# KiCad board untitled.kicad_pcb (continued)
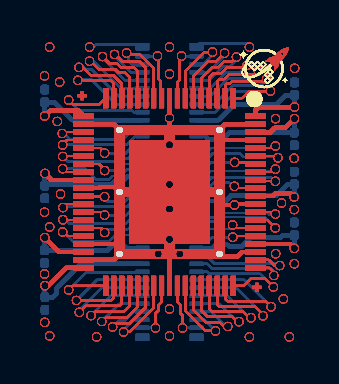
[diagram p0: board, top side]
## Routing (per net, layer and track width the routed paths; a pad name or vN(x,y) marks a point on that pad's centre or on a via; arc(x,y) is an arc through that point) (continued)
  Top w0.5: v1(6.78,2.48) 8.76,2.48 ; v1(6.78,2.48) 6.26,2.48 ; v1(6.78,2.48) 8.76,2.48 ; v1(6.78,2.48) 8.76,2.48 ; v1(6.78,2.48) 6.26,2.48 ; v1(6.78,2.48) 6.26,2.48 ; v1(6.78,2.48) 6.26,2.48 ; v1(6.78,2.48) 8.76,2.48 ; v1(6.78,2.48) 6.26,2.48 ; v1(6.78,2.48) 8.76,2.48 ; v1(6.78,2.48) 8.76,2.48 ; v1(6.78,2.48) 6.26,2.48 ; v1(6.78,2.48) 6.26,2.48 ; v1(6.78,2.48) 8.76,2.48 ; v1(6.78,2.48) 8.76,2.48 ; v1(6.78,2.48) 8.76,2.48 ; v1(6.78,2.48) 8.76,2.48 ; v1(6.78,2.48) 8.76,2.48 ; v1(6.78,2.48) 6.26,2.48 ; v1(6.78,2.48) 6.26,2.48 ; v1(6.78,2.48) 8.76,2.48 ; v1(6.78,2.48) 6.26,2.48 ; v1(6.78,2.48) 6.26,2.48 ; v1(6.78,2.48) 8.76,2.48 ; v1(6.78,2.48) 8.76,2.48 ; v1(6.78,2.48) 6.26,2.48 ; v1(6.78,2.48) 8.76,2.48 ; v1(6.78,2.48) 8.76,2.48 ; v1(6.78,2.48) 8.76,2.48 ; v1(6.78,2.48) 8.76,2.48 ; v1(6.78,2.48) 8.76,2.48 ; v1(6.78,2.48) 8.76,2.48 ; v1(6.78,2.48) 8.76,2.48 ; v1(6.78,2.48) 8.76,2.48 ; v1(6.78,2.48) 8.76,2.48 ; v1(6.78,2.48) 8.76,2.48 ; v1(6.78,2.48) 6.26,2.48 ; v1(6.78,2.48) 6.26,2.48 ; v1(6.78,2.48) 6.26,2.48 ; v1(6.78,2.48) 8.76,2.48 ; v1(6.78,2.48) 6.26,2.48 ; v1(6.78,2.48) 6.26,2.48 ; v1(6.78,2.48) 8.76,2.48 ; v1(6.78,2.48) 8.76,2.48 ; v1(6.78,2.48) 6.26,2.48 ; v1(6.78,2.48) 8.76,2.48 ; v1(6.78,2.48) 6.26,2.48 ; v1(6.78,2.48) 8.76,2.48 ; v1(6.78,2.48) 8.76,2.48 ; v1(6.78,2.48) 6.26,2.48 ; v1(6.78,2.48) 6.26,2.48 ; v1(6.78,2.48) 8.76,2.48 ; v1(6.78,2.48) 8.76,2.48 ; v1(6.78,2.48) 6.26,2.48 ; v1(6.78,2.48) 6.26,2.48 ; v1(6.78,2.48) 6.26,2.48 ; v1(6.78,2.48) 6.26,2.48 ; v1(6.78,2.48) 6.26,2.48 ; v1(6.78,2.48) 6.26,2.48 ; v1(6.78,2.48) 6.26,2.48 ; v1(6.78,2.48) 8.76,2.48 ; v1(6.78,2.48) 8.76,2.48 ; v1(6.78,2.48) 8.76,2.48 ; v1(6.78,2.48) 6.26,2.48 ; v1(6.78,2.48) 6.26,2.48 ; v1(6.78,2.48) 8.76,2.48 ; v1(6.78,2.48) 8.76,2.48 ; v1(6.78,2.48) 6.26,2.48 ; v1(6.78,2.48) 6.26,2.48 ; v1(6.78,2.48) 6.26,2.48 ; v1(6.78,2.48) 8.76,2.48 ; v1(6.78,2.48) 6.26,2.48 ; v1(6.78,2.48) 8.76,2.48 ; v1(6.78,2.48) 6.26,2.48 ; v1(6.78,2.48) 6.26,2.48 ; v1(6.78,2.48) 6.26,2.48 ; v1(6.78,2.48) 8.76,2.48 ; v1(6.78,2.48) 6.26,2.48 ; v1(6.78,2.48) 8.76,2.48 ; v1(6.78,2.48) 8.76,2.48 ; v1(6.78,2.48) 6.26,2.48 ; v1(6.78,2.48) 6.26,2.48 ; v1(6.78,2.48) 6.26,2.48 ; v1(6.78,2.48) 6.26,2.48 ; 8.76,2.48 8.76,5.03 ; 8.76,2.48 8.76,5.03 ; 8.76,2.48 8.76,5.03 ; 8.76,2.48 8.76,5.03 ; 8.76,2.48 8.76,5.03 ; 8.76,2.48 8.76,5.03 ; 8.76,2.48 8.76,5.03 ; 8.76,2.48 8.76,5.03 ; 8.76,2.48 8.76,5.03 ; 8.76,2.48 8.76,5.03 ; 8.76,2.48 8.76,5.03 ; 8.76,2.48 8.76,5.03 ; 8.76,2.48 8.76,5.03 ; 8.76,2.48 8.76,5.03 ; 8.76,2.48 8.76,5.03 ; 8.76,2.48 8.76,5.03 ; 8.76,2.48 8.76,5.03 ; 8.76,2.48 8.76,5.03 ; 8.76,2.48 8.76,5.03 ; 8.76,2.48 8.76,5.03 ; 8.76,2.48 8.76,5.03 ; 8.76,2.48 8.76,5.03 ; 8.76,2.48 8.76,5.03 ; 8.76,2.48 8.76,5.03 ; 8.76,2.48 8.76,5.03 ; 8.76,2.48 8.76,5.03 ; 8.76,2.48 8.76,5.03 ; 8.76,2.48 8.76,5.03 ; 8.76,2.48 8.76,5.03 ; 8.76,2.48 8.76,5.03 ; 8.76,2.48 8.76,5.03 ; 8.76,2.48 8.76,5.03 ; 8.76,2.48 8.76,5.03 ; 8.76,2.48 8.76,5.03 ; 8.76,2.48 8.76,5.03 ; 8.76,2.48 8.76,5.03 ; 8.76,2.48 8.76,5.03 ; 8.76,2.48 8.76,5.03 ; 8.76,2.48 8.76,5.03 ; 8.76,2.48 8.76,5.03 ; 8.76,2.48 8.76,5.03 ; 8.76,2.48 8.76,5.03 ; 6.26,2.48 v1(6.26,3.21) ; 6.26,2.48 v1(6.26,3.21) ; 6.26,2.48 v1(6.26,3.21) ; 6.26,2.48 v1(5.69,2.48) ; 6.26,2.48 v1(5.69,2.48) ; 6.26,2.48 v1(6.26,3.21) ; 6.26,2.48 v1(5.69,2.48) ; 6.26,2.48 v1(6.26,3.21) ; 6.26,2.48 v1(6.26,3.21) ; 6.26,2.48 v1(6.26,3.21) ; 6.26,2.48 v1(5.69,2.48) ; 6.26,2.48 v1(6.26,3.21) ; 6.26,2.48 v1(5.69,2.48) ; 6.26,2.48 v1(5.69,2.48) ; 6.26,2.48 v1(6.26,3.21) ; 6.26,2.48 v1(5.69,2.48) ; 6.26,2.48 v1(6.26,3.21) ; 6.26,2.48 v1(6.26,3.21) ; 6.26,2.48 v1(5.69,2.48) ; 6.26,2.48 v1(6.26,3.21) ; 6.26,2.48 v1(6.26,3.21) ; 6.26,2.48 v1(6.26,3.21) ; 6.26,2.48 v1(6.26,3.21) ; 6.26,2.48 v1(6.26,3.21) ; 6.26,2.48 v1(5.69,2.48) ; 6.26,2.48 v1(6.26,3.21) ; 6.26,2.48 v1(5.69,2.48) ; 6.26,2.48 v1(5.69,2.48) ; 6.26,2.48 v1(5.69,2.48) ; 6.26,2.48 v1(6.26,3.21) ; 6.26,2.48 v1(5.69,2.48) ; 6.26,2.48 v1(5.69,2.48) ; 6.26,2.48 v1(6.26,3.21) ; 6.26,2.48 v1(5.69,2.48) ; 6.26,2.48 v1(5.69,2.48) ; 6.26,2.48 v1(6.26,3.21) ; 6.26,2.48 v1(6.26,3.21) ; 6.26,2.48 v1(5.69,2.48) ; 6.26,2.48 v1(5.69,2.48) ; 6.26,2.48 v1(6.26,3.21) ; 6.26,2.48 v1(5.69,2.48) ; 6.26,2.48 v1(6.26,3.21) ; 6.26,2.48 v1(5.69,2.48) ; 6.26,2.48 v1(5.69,2.48) ; 6.26,2.48 v1(6.26,3.21) ; 6.26,2.48 v1(5.69,2.48) ; 6.26,2.48 v1(5.69,2.48) ; 6.26,2.48 v1(5.69,2.48) ; 6.26,2.48 v1(6.26,3.21) ; 6.26,2.48 v1(6.26,3.21) ; 6.26,2.48 v1(6.26,3.21) ; 6.26,2.48 v1(5.69,2.48) ; 6.26,2.48 v1(5.69,2.48) ; 6.26,2.48 v1(6.26,3.21) ; 6.26,2.48 v1(6.26,3.21) ; 6.26,2.48 v1(5.69,2.48) ; 6.26,2.48 v1(5.69,2.48) ; 6.26,2.48 v1(6.26,3.21) ; 6.26,2.48 v1(5.69,2.48) ; 6.26,2.48 v1(5.69,2.48) ; 6.26,2.48 v1(6.26,3.21) ; 6.26,2.48 v1(6.26,3.21) ; 6.26,2.48 v1(5.69,2.48) ; 6.26,2.48 v1(6.26,3.21) ; 6.26,2.48 v1(6.26,3.21) ; 6.26,2.48 v1(6.26,3.21) ; 6.26,2.48 v1(6.26,3.21) ; 6.26,2.48 v1(5.69,2.48) ; 6.26,2.48 v1(5.69,2.48) ; 6.26,2.48 v1(5.69,2.48) ; 6.26,2.48 v1(5.69,2.48) ; 6.26,2.48 v1(5.69,2.48) ; 6.26,2.48 v1(5.69,2.48) ; 6.26,2.48 v1(6.26,3.21) ; 6.26,2.48 v1(6.26,3.21) ; 6.26,2.48 v1(6.26,3.21) ; 6.26,2.48 v1(5.69,2.48) ; 6.26,2.48 v1(5.69,2.48) ; 6.26,2.48 v1(6.26,3.21) ; 6.26,2.48 v1(5.69,2.48) ; 6.26,2.48 v1(6.26,3.21) ; 6.26,2.48 v1(5.69,2.48) ; 6.26,2.48 v1(5.69,2.48) ; 6.26,2.48 v1(6.26,3.21) ; 3.76,5.58 3.76,2.98 ; 3.76,5.58 3.76,8.68 ; 3.76,5.58 3.76,8.68 ; 3.76,5.58 8.76,5.58 ; 3.76,5.58 8.76,5.58 ; 3.76,5.58 8.76,5.58 ; 3.76,5.58 3.76,8.68 ; 3.76,5.58 3.76,2.98 ; 3.76,5.58 3.76,8.68 ; 3.76,5.58 8.76,5.58 ; 3.76,5.58 8.76,5.58 ; 3.76,5.58 3.76,8.68 ; 3.76,5.58 3.76,8.68 ; 3.76,5.58 3.76,8.68 ; 3.76,5.58 8.76,5.58 ; 3.76,5.58 3.76,8.68 ; 3.76,5.58 3.76,2.98 ; 3.76,5.58 3.76,8.68 ; 3.76,5.58 3.76,8.68 ; 3.76,5.58 3.76,2.98 ; 3.76,5.58 3.76,2.98 ; 3.76,5.58 8.76,5.58 ; 3.76,5.58 8.76,5.58 ; 3.76,5.58 3.76,8.68 ; 3.76,5.58 3.76,2.98 ; 3.76,5.58 3.76,2.98 ; 3.76,5.58 8.76,5.58 ; 3.76,5.58 3.76,8.68 ; 3.76,5.58 8.76,5.58 ; 3.76,5.58 3.76,8.68 ; 3.76,5.58 3.76,2.98 ; 3.76,5.58 8.76,5.58 ; 3.76,5.58 8.76,5.58 ; 3.76,5.58 8.76,5.58 ; 3.76,5.58 3.76,8.68 ; 3.76,5.58 3.76,8.68 ; 3.76,5.58 8.76,5.58 ; 3.76,5.58 3.76,2.98 ; 3.76,5.58 3.76,8.68 ; 3.76,5.58 3.76,8.68 ; 3.76,5.58 3.76,8.68 ; 3.76,5.58 3.76,2.98 ; 3.76,5.58 8.76,5.58 ; 3.76,5.58 3.76,2.98 ; 3.76,5.58 8.76,5.58 ; 3.76,5.58 3.76,8.68 ; 3.76,5.58 3.76,2.98 ; 3.76,5.58 8.76,5.58 ; 3.76,5.58 3.76,2.98 ; 3.76,5.58 3.76,2.98 ; 3.76,5.58 3.76,2.98 ; 3.76,5.58 3.76,2.98 ; 3.76,5.58 3.76,8.68 ; 3.76,5.58 8.76,5.58 ; 3.76,5.58 3.76,2.98 ; 3.76,5.58 3.76,2.98 ; 3.76,5.58 3.76,8.68 ; 3.76,5.58 8.76,5.58 ; 3.76,5.58 8.76,5.58 ; 3.76,5.58 3.76,8.68 ; 3.76,5.58 8.76,5.58 ; 3.76,5.58 3.76,8.68 ; 3.76,5.58 3.76,2.98 ; 3.76,5.58 8.76,5.58 ; 3.76,5.58 8.76,5.58 ; 3.76,5.58 3.76,2.98 ; 3.76,5.58 8.76,5.58 ; 3.76,5.58 3.76,2.98 ; 3.76,5.58 8.76,5.58 ; 3.76,5.58 3.76,8.68 ; 3.76,5.58 3.76,2.98 ; 3.76,5.58 3.76,8.68 ; 3.76,5.58 3.76,2.98 ; 3.76,5.58 3.76,8.68 ; 3.76,5.58 3.76,2.98 ; 3.76,5.58 3.76,2.98 ; 3.76,5.58 3.76,8.68 ; 3.76,5.58 8.76,5.58 ; 3.76,5.58 8.76,5.58 ; 3.76,5.58 3.76,8.68 ; 3.76,5.58 8.76,5.58 ; 3.76,5.58 3.76,2.98 ; 3.76,5.58 3.76,2.98 ; 3.76,5.58 3.76,2.98 ; 3.76,5.58 3.76,8.68 ; 3.76,5.58 8.76,5.58 ; 3.76,5.58 3.76,2.98 ; 3.76,5.58 8.76,5.58 ; 3.76,5.58 8.76,5.58 ; 3.76,5.58 8.76,5.58 ; 3.76,5.58 8.76,5.58 ; 3.76,5.58 3.76,2.98 ; 3.76,5.58 3.76,2.98 ; 3.76,5.58 3.76,8.68 ; 3.76,5.58 3.76,8.68 ; 3.76,5.58 3.76,8.68 ; 3.76,5.58 3.76,8.68 ; 3.76,5.58 3.76,8.68 ; 3.76,5.58 3.76,2.98 ; 3.76,5.58 3.76,2.98 ; 3.76,5.58 3.76,2.98 ; 3.76,5.58 3.76,2.98 ; 3.76,5.58 3.76,8.68 ; 3.76,5.58 8.76,5.58 ; 3.76,5.58 3.76,8.68 ; 3.76,5.58 8.76,5.58 ; 3.76,5.58 3.76,2.98 ; 3.76,5.58 3.76,2.98 ; 3.76,5.58 3.76,2.98 ; 3.76,5.58 3.76,2.98 ; 3.76,5.58 8.76,5.58 ; 3.76,5.58 3.76,2.98 ; 3.76,5.58 8.76,5.58 ; 3.76,5.58 3.76,2.98 ; 3.76,5.58 3.76,8.68 ; 3.76,5.58 8.76,5.58 ; 3.76,5.58 8.76,5.58 ; 3.76,5.58 8.76,5.58 ; 3.76,5.58 8.76,5.58 ; 3.76,5.58 3.76,8.68 ; 3.76,5.58 8.76,5.58 ; 3.76,5.58 3.76,8.68 ; 3.76,5.58 3.76,8.68 ; 3.76,5.58 3.76,8.68 ; 3.76,5.58 3.76,8.68 ; 3.76,5.58 3.76,2.98 ; 3.76,2.98 3.76,2.48 ; 3.76,2.98 3.76,2.48 ; 3.76,2.98 3.76,2.48 ; 3.76,2.98 3.76,2.48 ; 3.76,2.98 3.76,2.48 ; 3.76,2.98 3.76,2.48 ; 3.76,2.98 3.76,2.48 ; 3.76,2.98 3.76,2.48 ; 3.76,2.98 3.76,2.48 ; 3.76,2.98 3.76,2.48 ; 3.76,2.98 3.76,2.48 ; 3.76,2.98 3.76,2.48 ; 3.76,2.98 3.76,2.48 ; 3.76,2.98 3.76,2.48 ; 3.76,2.98 3.76,2.48 ; 3.76,2.98 3.76,2.48 ; 3.76,2.98 3.76,2.48 ; 3.76,2.98 3.76,2.48 ; 3.76,2.98 3.76,2.48 ; 3.76,2.98 3.76,2.48 ; 3.76,2.98 3.76,2.48 ; 3.76,2.98 3.76,2.48 ; 3.76,2.98 3.76,2.48 ; 3.76,2.98 3.76,2.48 ; 3.76,2.98 3.76,2.48 ; 3.76,2.98 3.76,2.48 ; 3.76,2.98 3.76,2.48 ; 3.76,2.98 3.76,2.48 ; 3.76,2.98 3.76,2.48 ; 3.76,2.98 3.76,2.48 ; 3.76,2.98 3.76,2.48 ; 3.76,2.98 3.76,2.48 ; 3.76,2.98 3.76,2.48 ; 3.76,2.98 3.76,2.48 ; 3.76,2.98 3.76,2.48 ; 3.76,2.98 3.76,2.48 ; 3.76,2.98 3.76,2.48 ; 3.76,2.98 3.76,2.48 ; 3.76,2.98 3.76,2.48 ; 3.76,2.98 3.76,2.48 ; 3.76,2.98 3.76,2.48 ; 3.76,2.98 3.76,2.48 ; 3.76,8.68 6.21,8.68 ; 3.76,8.68 6.21,8.68 ; 3.76,8.68 6.21,8.68 ; 3.76,8.68 6.21,8.68 ; 3.76,8.68 6.21,8.68 ; 3.76,8.68 6.21,8.68 ; 3.76,8.68 6.21,8.68 ; 3.76,8.68 6.21,8.68 ; 3.76,8.68 6.21,8.68 ; 3.76,8.68 6.21,8.68 ; 3.76,8.68 6.21,8.68 ; 3.76,8.68 6.21,8.68 ; 3.76,8.68 6.21,8.68 ; 3.76,8.68 6.21,8.68 ; 3.76,8.68 6.21,8.68 ; 3.76,8.68 6.21,8.68 ; 3.76,8.68 6.21,8.68 ; 3.76,8.68 6.21,8.68 ; 3.76,8.68 6.21,8.68 ; 3.76,8.68 6.21,8.68 ; 3.76,8.68 6.21,8.68 ; 3.76,8.68 6.21,8.68 ; 3.76,8.68 6.21,8.68 ; 3.76,8.68 6.21,8.68 ; 3.76,8.68 6.21,8.68 ; 3.76,8.68 6.21,8.68 ; 3.76,8.68 6.21,8.68 ; 3.76,8.68 6.21,8.68 ; 3.76,8.68 6.21,8.68 ; 3.76,8.68 6.21,8.68 ; 3.76,8.68 6.21,8.68 ; 3.76,8.68 6.21,8.68 ; 3.76,8.68 6.21,8.68 ; 3.76,8.68 6.21,8.68 ; 3.76,8.68 6.21,8.68 ; 3.76,8.68 6.21,8.68 ; 3.76,8.68 6.21,8.68 ; 3.76,8.68 6.21,8.68 ; 3.76,8.68 6.21,8.68 ; 3.76,8.68 6.21,8.68 ; 3.76,8.68 6.21,8.68 ; 3.76,8.68 6.21,8.68 ; 6.21,8.68 6.26,8.63 ; 6.21,8.68 8.76,8.68 ; 6.21,8.68 6.26,8.63 ; 6.21,8.68 6.26,8.63 ; 6.21,8.68 6.26,8.63 ; 6.21,8.68 8.76,8.68 ; 6.21,8.68 6.26,8.63 ; 6.21,8.68 6.26,8.63 ; 6.21,8.68 8.76,8.68 ; 6.21,8.68 6.26,8.63 ; 6.21,8.68 8.76,8.68 ; 6.21,8.68 8.76,8.68 ; 6.21,8.68 6.26,8.63 ; 6.21,8.68 8.76,8.68 ; 6.21,8.68 8.76,8.68 ; 6.21,8.68 8.76,8.68 ; 6.21,8.68 8.76,8.68 ; 6.21,8.68 6.26,8.63 ; 6.21,8.68 8.76,8.68 ; 6.21,8.68 6.26,8.63 ; 6.21,8.68 6.26,8.63 ; 6.21,8.68 8.76,8.68 ; 6.21,8.68 6.26,8.63 ; 6.21,8.68 6.26,8.63 ; 6.21,8.68 8.76,8.68 ; 6.21,8.68 6.26,8.63 ; 6.21,8.68 8.76,8.68 ; 6.21,8.68 8.76,8.68 ; 6.21,8.68 8.76,8.68 ; 6.21,8.68 6.26,8.63 ; 6.21,8.68 6.26,8.63 ; 6.21,8.68 8.76,8.68 ; 6.21,8.68 6.26,8.63 ; 6.21,8.68 6.26,8.63 ; 6.21,8.68 6.26,8.63 ; 6.21,8.68 8.76,8.68 ; 6.21,8.68 6.26,8.63 ; 6.21,8.68 6.26,8.63 ; 6.21,8.68 8.76,8.68 ; 6.21,8.68 8.76,8.68 ; 6.21,8.68 6.26,8.63 ; 6.21,8.68 6.26,8.63 ; 6.21,8.68 8.76,8.68 ; 6.21,8.68 6.26,8.63 ; 6.21,8.68 6.26,8.63 ; 6.21,8.68 8.76,8.68 ; 6.21,8.68 8.76,8.68 ; 6.21,8.68 6.26,8.63 ; 6.21,8.68 6.26,8.63 ; 6.21,8.68 8.76,8.68 ; 6.21,8.68 8.76,8.68 ; 6.21,8.68 6.26,8.63 ; 6.21,8.68 8.76,8.68 ; 6.21,8.68 6.26,8.63 ; 6.21,8.68 6.26,8.63 ; 6.21,8.68 8.76,8.68 ; 6.21,8.68 6.26,8.63 ; 6.21,8.68 8.76,8.68 ; 6.21,8.68 6.26,8.63 ; 6.21,8.68 6.26,8.63 ; 6.21,8.68 6.26,8.63 ; 6.21,8.68 8.76,8.68 ; 6.21,8.68 8.76,8.68 ; 6.21,8.68 8.76,8.68 ; 6.21,8.68 8.76,8.68 ; 6.21,8.68 6.26,8.63 ; 6.21,8.68 6.26,8.63 ; 6.21,8.68 8.76,8.68 ; 6.21,8.68 6.26,8.63 ; 6.21,8.68 8.76,8.68 ; 6.21,8.68 8.76,8.68 ; 6.21,8.68 8.76,8.68 ; 6.21,8.68 6.26,8.63 ; 6.21,8.68 8.76,8.68 ; 6.21,8.68 6.26,8.63 ; 6.21,8.68 8.76,8.68 ; 6.21,8.68 8.76,8.68 ; 6.21,8.68 6.26,8.63 ; 6.21,8.68 8.76,8.68 ; 6.21,8.68 8.76,8.68 ; 6.21,8.68 8.76,8.68 ; 6.21,8.68 6.26,8.63 ; 6.21,8.68 6.26,8.63 ; 6.21,8.68 8.76,8.68 ; 6.26,8.63 v1(6.26,7.94) ; 6.26,8.63 v1(6.26,7.94) ; 6.26,8.63 v1(6.26,7.94) ; 6.26,8.63 v1(6.26,7.94) ; 6.26,8.63 v1(6.26,7.94) ; 6.26,8.63 v1(6.26,7.94) ; 6.26,8.63 v1(6.26,7.94) ; 6.26,8.63 v1(6.26,7.94) ; 6.26,8.63 v1(6.26,7.94) ; 6.26,8.63 v1(6.26,7.94) ; 6.26,8.63 v1(6.26,7.94) ; 6.26,8.63 v1(6.26,7.94) ; 6.26,8.63 v1(6.26,7.94) ; 6.26,8.63 v1(6.26,7.94) ; 6.26,8.63 v1(6.26,7.94) ; 6.26,8.63 v1(6.26,7.94) ; 6.26,8.63 v1(6.26,7.94) ; 6.26,8.63 v1(6.26,7.94) ; 6.26,8.63 v1(6.26,7.94) ; 6.26,8.63 v1(6.26,7.94) ; 6.26,8.63 v1(6.26,7.94) ; 6.26,8.63 v1(6.26,7.94) ; 6.26,8.63 v1(6.26,7.94) ; 6.26,8.63 v1(6.26,7.94) ; 6.26,8.63 v1(6.26,7.94) ; 6.26,8.63 v1(6.26,7.94) ; 6.26,8.63 v1(6.26,7.94) ; 6.26,8.63 v1(6.26,7.94) ; 6.26,8.63 v1(6.26,7.94) ; 6.26,8.63 v1(6.26,7.94) ; 6.26,8.63 v1(6.26,7.94) ; 6.26,8.63 v1(6.26,7.94) ; 6.26,8.63 v1(6.26,7.94) ; 6.26,8.63 v1(6.26,7.94) ; 6.26,8.63 v1(6.26,7.94) ; 6.26,8.63 v1(6.26,7.94) ; 6.26,8.63 v1(6.26,7.94) ; 6.26,8.63 v1(6.26,7.94) ; 6.26,8.63 v1(6.26,7.94) ; 6.26,8.63 v1(6.26,7.94) ; 6.26,8.63 v1(6.26,7.94) ; 6.26,8.63 v1(6.26,7.94) ; v1(6.26,3.21) v1(6.26,4.73) ; v1(6.26,3.21) v1(6.26,4.73) ; v1(6.26,3.21) v1(6.26,4.73) ; v1(6.26,3.21) v1(6.26,4.73) ; v1(6.26,3.21) v1(6.26,4.73) ; v1(6.26,3.21) v1(6.26,4.73) ; v1(6.26,3.21) v1(6.26,4.73) ; v1(6.26,3.21) v1(6.26,4.73) ; v1(6.26,3.21) v1(6.26,4.73) ; v1(6.26,3.21) v1(6.26,4.73) ; v1(6.26,3.21) v1(6.26,4.73) ; v1(6.26,3.21) v1(6.26,4.73) ; v1(6.26,3.21) v1(6.26,4.73) ; v1(6.26,3.21) v1(6.26,4.73) ; v1(6.26,3.21) v1(6.26,4.73) ; v1(6.26,3.21) v1(6.26,4.73) ; v1(6.26,3.21) v1(6.26,4.73) ; v1(6.26,3.21) v1(6.26,4.73) ; v1(6.26,3.21) v1(6.26,4.73) ; v1(6.26,3.21) v1(6.26,4.73) ; v1(6.26,3.21) v1(6.26,4.73) ; v1(6.26,3.21) v1(6.26,4.73) ; v1(6.26,3.21) v1(6.26,4.73) ; v1(6.26,3.21) v1(6.26,4.73) ; v1(6.26,3.21) v1(6.26,4.73) ; v1(6.26,3.21) v1(6.26,4.73) ; v1(6.26,3.21) v1(6.26,4.73) ; v1(6.26,3.21) v1(6.26,4.73) ; v1(6.26,3.21) v1(6.26,4.73) ; v1(6.26,3.21) v1(6.26,4.73) ; v1(6.26,3.21) v1(6.26,4.73) ; v1(6.26,3.21) v1(6.26,4.73) ; v1(6.26,3.21) v1(6.26,4.73) ; v1(6.26,3.21) v1(6.26,4.73) ; v1(6.26,3.21) v1(6.26,4.73) ; v1(6.26,3.21) v1(6.26,4.73) ; v1(6.26,3.21) v1(6.26,4.73) ; v1(6.26,3.21) v1(6.26,4.73) ; v1(6.26,3.21) v1(6.26,4.73) ; v1(6.26,3.21) v1(6.26,4.73) ; v1(6.26,3.21) v1(6.26,4.73) ; v1(6.26,3.21) v1(6.26,4.73) ; 8.76,8.18 8.76,8.68 ; 8.76,8.18 8.76,5.58 ; 8.76,8.18 8.76,5.58 ; 8.76,8.18 8.76,5.58 ; 8.76,8.18 8.76,5.58 ; 8.76,8.18 8.76,8.68 ; 8.76,8.18 8.76,8.68 ; 8.76,8.18 8.76,5.58 ; 8.76,8.18 8.76,5.58 ; 8.76,8.18 8.76,5.58 ; 8.76,8.18 8.76,8.68 ; 8.76,8.18 8.76,8.68 ; 8.76,8.18 8.76,5.58 ; 8.76,8.18 8.76,8.68 ; 8.76,8.18 8.76,8.68 ; 8.76,8.18 8.76,8.68 ; 8.76,8.18 8.76,5.58 ; 8.76,8.18 8.76,5.58 ; 8.76,8.18 8.76,8.68 ; 8.76,8.18 8.76,5.58 ; 8.76,8.18 8.76,5.58 ; 8.76,8.18 8.76,8.68 ; 8.76,8.18 8.76,8.68 ; 8.76,8.18 8.76,8.68 ; 8.76,8.18 8.76,5.58 ; 8.76,8.18 8.76,5.58 ; 8.76,8.18 8.76,5.58 ; 8.76,8.18 8.76,8.68 ; 8.76,8.18 8.76,5.58 ; 8.76,8.18 8.76,8.68 ; 8.76,8.18 8.76,8.68 ; 8.76,8.18 8.76,8.68 ; 8.76,8.18 8.76,8.68 ; 8.76,8.18 8.76,5.58 ; 8.76,8.18 8.76,8.68 ; 8.76,8.18 8.76,8.68 ; 8.76,8.18 8.76,8.68 ; 8.76,8.18 8.76,8.68 ; 8.76,8.18 8.76,8.68 ; 8.76,8.18 8.76,5.58 ; 8.76,8.18 8.76,5.58 ; 8.76,8.18 8.76,8.68 ; 8.76,8.18 8.76,5.58 ; 8.76,8.18 8.76,8.68 ; 8.76,8.18 8.76,5.58 ; 8.76,8.18 8.76,8.68 ; 8.76,8.18 8.76,5.58 ; 8.76,8.18 8.76,5.58 ; 8.76,8.18 8.76,8.68 ; 8.76,8.18 8.76,5.58 ; 8.76,8.18 8.76,8.68 ; 8.76,8.18 8.76,8.68 ; 8.76,8.18 8.76,8.68 ; 8.76,8.18 8.76,5.58 ; 8.76,8.18 8.76,8.68 ; 8.76,8.18 8.76,5.58 ; 8.76,8.18 8.76,8.68 ; 8.76,8.18 8.76,8.68 ; 8.76,8.18 8.76,8.68 ; 8.76,8.18 8.76,8.68 ; 8.76,8.18 8.76,5.58 ; 8.76,8.18 8.76,5.58 ; 8.76,8.18 8.76,5.58 ; 8.76,8.18 8.76,8.68 ; 8.76,8.18 8.76,8.68 ; 8.76,8.18 8.76,8.68 ; 8.76,8.18 8.76,5.58 ; 8.76,8.18 8.76,5.58 ; 8.76,8.18 8.76,5.58 ; 8.76,8.18 8.76,5.58 ; 8.76,8.18 8.76,5.58 ; 8.76,8.18 8.76,5.58 ; 8.76,8.18 8.76,8.68 ; 8.76,8.18 8.76,8.68 ; 8.76,8.18 8.76,8.68 ; 8.76,8.18 8.76,5.58 ; 8.76,8.18 8.76,5.58 ; 8.76,8.18 8.76,5.58 ; 8.76,8.18 8.76,5.58 ; 8.76,8.18 8.76,5.58 ; 8.76,8.18 8.76,5.58 ; 8.76,8.18 8.76,8.68 ; 8.76,8.18 8.76,5.58 ; 8.76,8.18 8.76,8.68 ; 8.76,5.58 8.76,5.03 ; 8.76,5.58 8.76,5.03 ; 8.76,5.58 8.76,5.03 ; 8.76,5.58 8.76,5.03 ; 8.76,5.58 8.76,5.03 ; 8.76,5.58 8.76,5.03 ; 8.76,5.58 8.76,5.03 ; 8.76,5.58 8.76,5.03 ; 8.76,5.58 8.76,5.03 ; 8.76,5.58 8.76,5.03 ; 8.76,5.58 8.76,5.03 ; 8.76,5.58 8.76,5.03 ; 8.76,5.58 8.76,5.03 ; 8.76,5.58 8.76,5.03 ; 8.76,5.58 8.76,5.03 ; 8.76,5.58 8.76,5.03 ; 8.76,5.58 8.76,5.03 ; 8.76,5.58 8.76,5.03 ; 8.76,5.58 8.76,5.03 ; 8.76,5.58 8.76,5.03 ; 8.76,5.58 8.76,5.03 ; 8.76,5.58 8.76,5.03 ; 8.76,5.58 8.76,5.03 ; 8.76,5.58 8.76,5.03 ; 8.76,5.58 8.76,5.03 ; 8.76,5.58 8.76,5.03 ; 8.76,5.58 8.76,5.03 ; 8.76,5.58 8.76,5.03 ; 8.76,5.58 8.76,5.03 ; 8.76,5.58 8.76,5.03 ; 8.76,5.58 8.76,5.03 ; 8.76,5.58 8.76,5.03 ; 8.76,5.58 8.76,5.03 ; 8.76,5.58 8.76,5.03 ; 8.76,5.58 8.76,5.03 ; 8.76,5.58 8.76,5.03 ; 8.76,5.58 8.76,5.03 ; 8.76,5.58 8.76,5.03 ; 8.76,5.58 8.76,5.03 ; 8.76,5.58 8.76,5.03 ; 8.76,5.58 8.76,5.03 ; 8.76,5.58 8.76,5.03 ; v1(6.26,7.94) v1(6.26,5.96) ; v1(6.26,7.94) v1(6.26,5.96) ; v1(6.26,7.94) v1(6.26,5.96) ; v1(6.26,7.94) v1(6.26,5.96) ; v1(6.26,7.94) v1(6.26,5.96) ; v1(6.26,7.94) v1(6.26,5.96) ; v1(6.26,7.94) v1(6.26,5.96) ; v1(6.26,7.94) v1(6.26,5.96) ; v1(6.26,7.94) v1(6.26,5.96) ; v1(6.26,7.94) v1(6.26,5.96) ; v1(6.26,7.94) v1(6.26,5.96) ; v1(6.26,7.94) v1(6.26,5.96) ; v1(6.26,7.94) v1(6.26,5.96) ; v1(6.26,7.94) v1(6.26,5.96) ; v1(6.26,7.94) v1(6.26,5.96) ; v1(6.26,7.94) v1(6.26,5.96) ; v1(6.26,7.94) v1(6.26,5.96) ; v1(6.26,7.94) v1(6.26,5.96) ; v1(6.26,7.94) v1(6.26,5.96) ; v1(6.26,7.94) v1(6.26,5.96) ; v1(6.26,7.94) v1(6.26,5.96) ; v1(6.26,7.94) v1(6.26,5.96) ; v1(6.26,7.94) v1(6.26,5.96) ; v1(6.26,7.94) v1(6.26,5.96) ; v1(6.26,7.94) v1(6.26,5.96) ; v1(6.26,7.94) v1(6.26,5.96) ; v1(6.26,7.94) v1(6.26,5.96) ; v1(6.26,7.94) v1(6.26,5.96) ; v1(6.26,7.94) v1(6.26,5.96) ; v1(6.26,7.94) v1(6.26,5.96) ; v1(6.26,7.94) v1(6.26,5.96) ; v1(6.26,7.94) v1(6.26,5.96) ; v1(6.26,7.94) v1(6.26,5.96) ; v1(6.26,7.94) v1(6.26,5.96) ; v1(6.26,7.94) v1(6.26,5.96) ; v1(6.26,7.94) v1(6.26,5.96) ; v1(6.26,7.94) v1(6.26,5.96) ; v1(6.26,7.94) v1(6.26,5.96) ; v1(6.26,7.94) v1(6.26,5.96) ; v1(6.26,7.94) v1(6.26,5.96) ; v1(6.26,7.94) v1(6.26,5.96) ; v1(6.26,7.94) v1(6.26,5.96) ; v1(6.26,5.96) v1(6.26,4.73) ; v1(6.26,5.96) v1(6.26,4.73) ; v1(6.26,5.96) v1(6.26,4.73) ; v1(6.26,5.96) v1(6.26,4.73) ; v1(6.26,5.96) v1(6.26,4.73) ; v1(6.26,5.96) v1(6.26,4.73) ; v1(6.26,5.96) v1(6.26,4.73) ; v1(6.26,5.96) v1(6.26,4.73) ; v1(6.26,5.96) v1(6.26,4.73) ; v1(6.26,5.96) v1(6.26,4.73) ; v1(6.26,5.96) v1(6.26,4.73) ; v1(6.26,5.96) v1(6.26,4.73) ; v1(6.26,5.96) v1(6.26,4.73) ; v1(6.26,5.96) v1(6.26,4.73) ; v1(6.26,5.96) v1(6.26,4.73) ; v1(6.26,5.96) v1(6.26,4.73) ; v1(6.26,5.96) v1(6.26,4.73) ; v1(6.26,5.96) v1(6.26,4.73) ; v1(6.26,5.96) v1(6.26,4.73) ; v1(6.26,5.96) v1(6.26,4.73) ; v1(6.26,5.96) v1(6.26,4.73) ; v1(6.26,5.96) v1(6.26,4.73) ; v1(6.26,5.96) v1(6.26,4.73) ; v1(6.26,5.96) v1(6.26,4.73) ; v1(6.26,5.96) v1(6.26,4.73) ; v1(6.26,5.96) v1(6.26,4.73) ; v1(6.26,5.96) v1(6.26,4.73) ; v1(6.26,5.96) v1(6.26,4.73) ; v1(6.26,5.96) v1(6.26,4.73) ; v1(6.26,5.96) v1(6.26,4.73) ; v1(6.26,5.96) v1(6.26,4.73) ; v1(6.26,5.96) v1(6.26,4.73) ; v1(6.26,5.96) v1(6.26,4.73) ; v1(6.26,5.96) v1(6.26,4.73) ; v1(6.26,5.96) v1(6.26,4.73) ; v1(6.26,5.96) v1(6.26,4.73) ; v1(6.26,5.96) v1(6.26,4.73) ; v1(6.26,5.96) v1(6.26,4.73) ; v1(6.26,5.96) v1(6.26,4.73) ; v1(6.26,5.96) v1(6.26,4.73) ; v1(6.26,5.96) v1(6.26,4.73) ; v1(6.26,5.96) v1(6.26,4.73) ; 3.76,2.48 v1(5.69,2.48) ; 3.76,2.48 v1(5.69,2.48) ; 3.76,2.48 v1(5.69,2.48) ; 3.76,2.48 v1(5.69,2.48) ; 3.76,2.48 v1(5.69,2.48) ; 3.76,2.48 v1(5.69,2.48) ; 3.76,2.48 v1(5.69,2.48) ; 3.76,2.48 v1(5.69,2.48) ; 3.76,2.48 v1(5.69,2.48) ; 3.76,2.48 v1(5.69,2.48) ; 3.76,2.48 v1(5.69,2.48) ; 3.76,2.48 v1(5.69,2.48) ; 3.76,2.48 v1(5.69,2.48) ; 3.76,2.48 v1(5.69,2.48) ; 3.76,2.48 v1(5.69,2.48) ; 3.76,2.48 v1(5.69,2.48) ; 3.76,2.48 v1(5.69,2.48) ; 3.76,2.48 v1(5.69,2.48) ; 3.76,2.48 v1(5.69,2.48) ; 3.76,2.48 v1(5.69,2.48) ; 3.76,2.48 v1(5.69,2.48) ; 3.76,2.48 v1(5.69,2.48) ; 3.76,2.48 v1(5.69,2.48) ; 3.76,2.48 v1(5.69,2.48) ; 3.76,2.48 v1(5.69,2.48) ; 3.76,2.48 v1(5.69,2.48) ; 3.76,2.48 v1(5.69,2.48) ; 3.76,2.48 v1(5.69,2.48) ; 3.76,2.48 v1(5.69,2.48) ; 3.76,2.48 v1(5.69,2.48) ; 3.76,2.48 v1(5.69,2.48) ; 3.76,2.48 v1(5.69,2.48) ; 3.76,2.48 v1(5.69,2.48) ; 3.76,2.48 v1(5.69,2.48) ; 3.76,2.48 v1(5.69,2.48) ; 3.76,2.48 v1(5.69,2.48) ; 3.76,2.48 v1(5.69,2.48) ; 3.76,2.48 v1(5.69,2.48) ; 3.76,2.48 v1(5.69,2.48) ; 3.76,2.48 v1(5.69,2.48) ; 3.76,2.48 v1(5.69,2.48) ; 3.76,2.48 v1(5.69,2.48)
  Bottom w0.1: 2.6,12.97 2.41,12.78 ; 2.6,12.97 2.41,12.78 ; 2.6,12.97 2.41,12.78 ; 2.6,12.97 4.79,12.97 ; 2.6,12.97 2.41,12.78 ; 2.6,12.97 2.41,12.78 ; 2.6,12.97 2.41,12.78 ; 2.6,12.97 2.41,12.78 ; 2.6,12.97 4.79,12.97 ; 2.6,12.97 2.41,12.78 ; 2.6,12.97 4.79,12.97 ; 2.6,12.97 2.41,12.78 ; 2.6,12.97 4.79,12.97 ; 2.6,12.97 2.41,12.78 ; 2.6,12.97 2.41,12.78 ; 2.6,12.97 2.41,12.78 ; 2.6,12.97 2.41,12.78 ; 2.6,12.97 4.79,12.97 ; 2.6,12.97 4.79,12.97 ; 2.6,12.97 2.41,12.78 ; 2.6,12.97 4.79,12.97 ; 2.6,12.97 2.41,12.78 ; 2.6,12.97 4.79,12.97 ; 2.6,12.97 4.79,12.97 ; 2.6,12.97 2.41,12.78 ; 2.6,12.97 4.79,12.97 ; 2.6,12.97 4.79,12.97 ; 2.6,12.97 4.79,12.97 ; 2.6,12.97 4.79,12.97 ; 2.6,12.97 4.79,12.97 ; 2.6,12.97 2.41,12.78 ; 2.6,12.97 4.79,12.97 ; 2.6,12.97 4.79,12.97 ; 2.6,12.97 4.79,12.97 ; 2.6,12.97 4.79,12.97 ; 2.6,12.97 4.79,12.97 ; 2.6,12.97 4.79,12.97 ; 2.6,12.97 2.41,12.78 ; 2.6,12.97 4.79,12.97 ; 2.6,12.97 4.79,12.97 ; 2.6,12.97 4.79,12.97 ; 2.6,12.97 2.41,12.78 ; 2.6,12.97 2.41,12.78 ; 2.6,12.97 4.79,12.97 ; 2.6,12.97 4.79,12.97 ; 2.6,12.97 4.79,12.97 ; 2.6,12.97 2.41,12.78 ; 2.6,12.97 4.79,12.97 ; 2.6,12.97 2.41,12.78 ; 2.6,12.97 2.41,12.78 ; 2.6,12.97 2.41,12.78 ; 2.6,12.97 2.41,12.78 ; 2.6,12.97 2.41,12.78 ; 2.6,12.97 2.41,12.78 ; 2.6,12.97 2.41,12.78 ; 2.6,12.97 4.79,12.97 ; 2.6,12.97 2.41,12.78 ; 2.6,12.97 4.79,12.97 ; 2.6,12.97 4.79,12.97 ; 2.6,12.97 2.41,12.78 ; 2.6,12.97 4.79,12.97 ; 2.6,12.97 4.79,12.97 ; 2.6,12.97 4.79,12.97 ; 2.6,12.97 2.41,12.78 ; 2.6,12.97 2.41,12.78 ; 2.6,12.97 4.79,12.97 ; 2.6,12.97 2.41,12.78 ; 2.6,12.97 2.41,12.78 ; 2.6,12.97 2.41,12.78 ; 2.6,12.97 4.79,12.97 ; 2.6,12.97 4.79,12.97 ; 2.6,12.97 4.79,12.97 ; 2.6,12.97 4.79,12.97 ; 2.6,12.97 2.41,12.78 ; 2.6,12.97 2.41,12.78 ; 2.6,12.97 4.79,12.97 ; 2.6,12.97 2.41,12.78 ; 2.6,12.97 2.41,12.78 ; 2.6,12.97 4.79,12.97 ; 2.6,12.97 4.79,12.97 ; 2.6,12.97 2.41,12.78 ; 2.6,12.97 2.41,12.78 ; 2.6,12.97 4.79,12.97 ; 2.6,12.97 2.41,12.78 ; 10.07,13.02 v1(10.26,12.83) ; 10.07,13.02 v1(10.26,12.83) ; 10.07,13.02 7.78,13.02 ; 10.07,13.02 v1(10.26,12.83) ; 10.07,13.02 7.78,13.02 ; 10.07,13.02 7.78,13.02 ; 10.07,13.02 v1(10.26,12.83) ; 10.07,13.02 7.78,13.02 ; 10.07,13.02 v1(10.26,12.83) ; 10.07,13.02 v1(10.26,12.83) ; 10.07,13.02 7.78,13.02 ; 10.07,13.02 v1(10.26,12.83) ; 10.07,13.02 7.78,13.02 ; 10.07,13.02 v1(10.26,12.83) ; 10.07,13.02 7.78,13.02 ; 10.07,13.02 v1(10.26,12.83) ; 10.07,13.02 7.78,13.02 ; 10.07,13.02 v1(10.26,12.83) ; 10.07,13.02 7.78,13.02 ; 10.07,13.02 7.78,13.02 ; 10.07,13.02 v1(10.26,12.83) ; 10.07,13.02 7.78,13.02 ; 10.07,13.02 7.78,13.02 ; 10.07,13.02 7.78,13.02 ; 10.07,13.02 7.78,13.02 ; 10.07,13.02 7.78,13.02 ; 10.07,13.02 v1(10.26,12.83) ; 10.07,13.02 v1(10.26,12.83) ; 10.07,13.02 v1(10.26,12.83) ; 10.07,13.02 7.78,13.02 ; 10.07,13.02 v1(10.26,12.83) ; 10.07,13.02 7.78,13.02 ; 10.07,13.02 v1(10.26,12.83) ; 10.07,13.02 v1(10.26,12.83) ; 10.07,13.02 v1(10.26,12.83) ; 10.07,13.02 v1(10.26,12.83) ; 10.07,13.02 v1(10.26,12.83) ; 10.07,13.02 v1(10.26,12.83) ; 10.07,13.02 v1(10.26,12.83) ; 10.07,13.02 v1(10.26,12.83) ; 10.07,13.02 v1(10.26,12.83) ; 10.07,13.02 7.78,13.02 ; 10.07,13.02 v1(10.26,12.83) ; 10.07,13.02 7.78,13.02 ; 10.07,13.02 7.78,13.02 ; 10.07,13.02 7.78,13.02 ; 10.07,13.02 7.78,13.02 ; 10.07,13.02 7.78,13.02 ; 10.07,13.02 v1(10.26,12.83) ; 10.07,13.02 7.78,13.02 ; 10.07,13.02 7.78,13.02 ; 10.07,13.02 7.78,13.02 ; 10.07,13.02 v1(10.26,12.83) ; 10.07,13.02 7.78,13.02 ; 10.07,13.02 v1(10.26,12.83) ; 10.07,13.02 7.78,13.02 ; 10.07,13.02 7.78,13.02 ; 10.07,13.02 v1(10.26,12.83) ; 10.07,13.02 7.78,13.02 ; 10.07,13.02 v1(10.26,12.83) ; 10.07,13.02 v1(10.26,12.83) ; 10.07,13.02 7.78,13.02 ; 10.07,13.02 v1(10.26,12.83) ; 10.07,13.02 7.78,13.02 ; 10.07,13.02 v1(10.26,12.83) ; 10.07,13.02 v1(10.26,12.83) ; 10.07,13.02 7.78,13.02 ; 10.07,13.02 7.78,13.02 ; 10.07,13.02 7.78,13.02 ; 10.07,13.02 7.78,13.02 ; 10.07,13.02 v1(10.26,12.83) ; 10.07,13.02 7.78,13.02 ; 10.07,13.02 7.78,13.02 ; 10.07,13.02 v1(10.26,12.83) ; 10.07,13.02 7.78,13.02 ; 10.07,13.02 v1(10.26,12.83) ; 10.07,13.02 v1(10.26,12.83) ; 10.07,13.02 v1(10.26,12.83) ; 10.07,13.02 7.78,13.02 ; 10.07,13.02 v1(10.26,12.83) ; 10.07,13.02 v1(10.26,12.83) ; 10.07,13.02 7.78,13.02 ; 10.07,13.02 7.78,13.02 ; 10.07,13.02 v1(10.26,12.83) ; 7.78,13.02 J173.MP ; 7.78,13.02 J173.MP ; 7.78,13.02 J173.MP ; 7.78,13.02 J173.MP ; 7.78,13.02 J173.MP ; 7.78,13.02 J173.MP ; 7.78,13.02 J173.MP ; 7.78,13.02 J173.MP ; 7.78,13.02 J173.MP ; 7.78,13.02 J173.MP ; 7.78,13.02 J173.MP ; 7.78,13.02 J173.MP ; 7.78,13.02 J173.MP ; 7.78,13.02 J173.MP ; 7.78,13.02 J173.MP ; 7.78,13.02 J173.MP ; 7.78,13.02 J173.MP ; 7.78,13.02 J173.MP ; 7.78,13.02 J173.MP ; 7.78,13.02 J173.MP ; 7.78,13.02 J173.MP ; 7.78,13.02 J173.MP ; 7.78,13.02 J173.MP ; 7.78,13.02 J173.MP ; 7.78,13.02 J173.MP ; 7.78,13.02 J173.MP ; 7.78,13.02 J173.MP ; 7.78,13.02 J173.MP ; 7.78,13.02 J173.MP ; 7.78,13.02 J173.MP ; 7.78,13.02 J173.MP ; 7.78,13.02 J173.MP ; 7.78,13.02 J173.MP ; 7.78,13.02 J173.MP ; 7.78,13.02 J173.MP ; 7.78,13.02 J173.MP ; 7.78,13.02 J173.MP ; 7.78,13.02 J173.MP ; 7.78,13.02 J173.MP ; 7.78,13.02 J173.MP ; 7.78,13.02 J173.MP ; 7.78,13.02 J173.MP ; J173.MP 4.79,12.97 ; J173.MP 4.79,12.97 ; J173.MP 4.79,12.97 ; J173.MP 4.79,12.97 ; J173.MP 4.79,12.97 ; J173.MP 4.79,12.97 ; J173.MP 4.79,12.97 ; J173.MP 4.79,12.97 ; J173.MP 4.79,12.97 ; J173.MP 4.79,12.97 ; J173.MP 4.79,12.97 ; J173.MP 4.79,12.97 ; J173.MP 4.79,12.97 ; J173.MP 4.79,12.97 ; J173.MP 4.79,12.97 ; J173.MP 4.79,12.97 ; J173.MP 4.79,12.97 ; J173.MP 4.79,12.97 ; J173.MP 4.79,12.97 ; J173.MP 4.79,12.97 ; J173.MP 4.79,12.97 ; J173.MP 4.79,12.97 ; J173.MP 4.79,12.97 ; J173.MP 4.79,12.97 ; J173.MP 4.79,12.97 ; J173.MP 4.79,12.97 ; J173.MP 4.79,12.97 ; J173.MP 4.79,12.97 ; J173.MP 4.79,12.97 ; J173.MP 4.79,12.97 ; J173.MP 4.79,12.97 ; J173.MP 4.79,12.97 ; J173.MP 4.79,12.97 ; J173.MP 4.79,12.97 ; J173.MP 4.79,12.97 ; J173.MP 4.79,12.97 ; J173.MP 4.79,12.97 ; J173.MP 4.79,12.97 ; J173.MP 4.79,12.97 ; J173.MP 4.79,12.97 ; J173.MP 4.79,12.97 ; J173.MP 4.79,12.97